# Altium PCB WallLightRemote_V1.0.PcbDoc (part 2 of 3)
Units mm, origin at the board's own origin, x right, y up, seen from the top; angles counter-clockwise.
Board outline 145 x 120 mm, 4 copper layers (Top Layer, Mid-Layer 1, Mid-Layer 2, Bottom Layer), stack 1.578 mm thick; 185 components, 123 nets, 798 pads, 785 vias.
Unrouted connection lines stored in the file: 21.
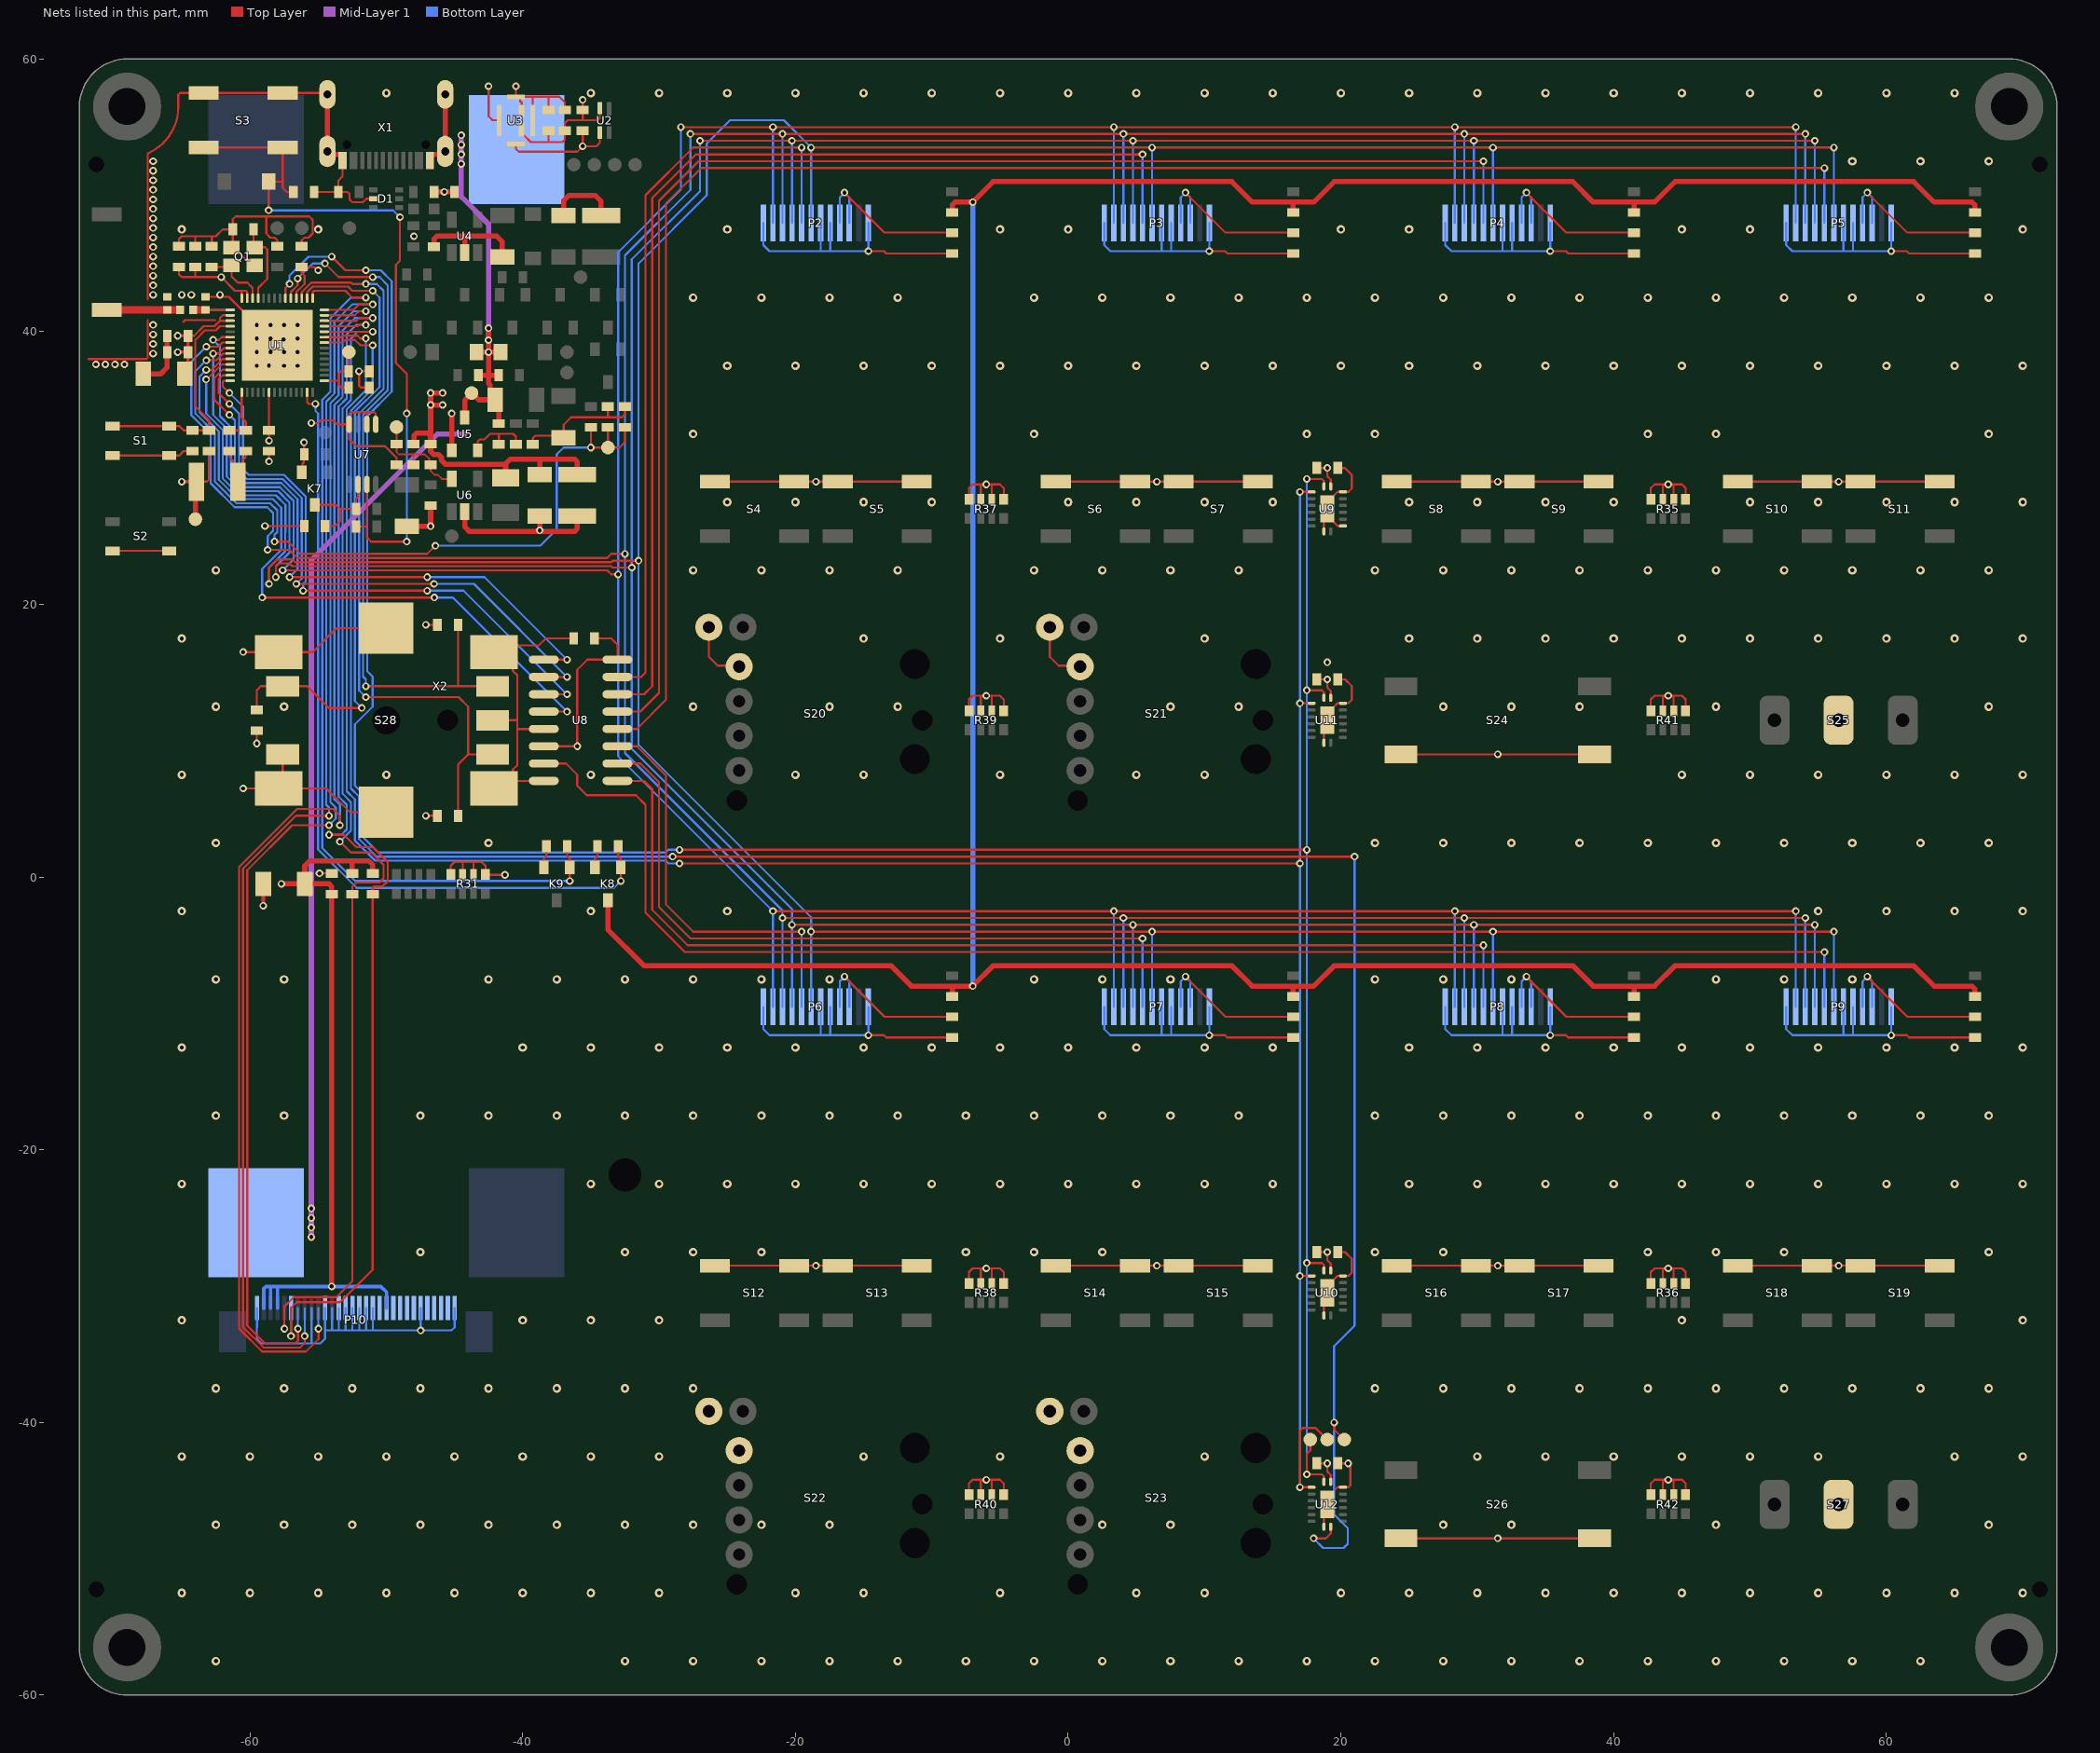
[diagram p4: the nets of this part, all layers, seen from the top]

## Via types
v1: diameter 0.62, hole 0.3, Top Layer to Bottom Layer, tented both sides, 444 vias
v2: diameter 0.55, hole 0.3, Top Layer to Bottom Layer, tented both sides, 341 vias

## Nets (pads, with @x,y where several pads share a name; then routed paths per layer and width w, separated by ;. In a path a pad name is that pad's centre, name@x,y a point inside that pad or via, vN(x,y) a via of type N, cw(c..) or ccw(c..) an arc to the next point about the centre after c; other vN are vias at no path point)
3V3: C1.P C2.2 C3.2 C4.2 C5.2 C6.2 C7.2 C8.2 C17.2 C18.2 C19.2 C27.1 C28.2 C29.P C35.2 C36.2 C37.2 C38.2 C39.2 C40.2 C41.2 C42.2 C43.2 C44.2 C45.2 C46.2 C47.2 C48.2 C49.2 L2.2 P2.3 P2.4 P3.3 P3.4 P4.3 P4.4 P5.3 P5.4 P6.3 P6.4 P7.3 P7.4 P8.3 P8.4 P9.3 P9.4 P10.2 P10.3 P10.4 P10.20 R1.2 R16.2 R29.2 R30.2 R31.5 R31.6 R31.7 R31.8 R35.5 R35.6 R35.7 R35.8 R36.5 R36.6 R36.7 R36.8 R37.5 R37.6 R37.7 R37.8 R38.5 R38.6 R38.7 R38.8 R39.5 R39.6 R39.7 R39.8 R40.5 R40.6 R40.7 R40.8 R41.5 R41.6 R41.7 R41.8 R42.5 R42.6 R42.7 R42.8 R43.2 R44.2 R45.2 TP18.1 U1.2 U1.3 U1.20 U1.46 U1.55 U1.56 U2.4 U3.1 U8.6 U8.16 U9.16 U10.16 U11.16 U12.16 | length 317.7
  Top Layer w0.152: C6.2@-65.2,44.738 -65.2,44.2 -65,44 -64,44 ; C2.2@-64.776,36.9 C2.2@-64.538,37.138 ; C3.2@-64.538,39.7 -64.1,39.7 -63.4,40.4 -62.6,40.4 -62.2,40.8 ; C7.2@-64,44.738 -64,44 ; C1.P@-63.924,29 -63.15,29 -63,29.15 R1.2@-63,31.238 ; U1.3@-61.45,40.8 -62.2,40.8 ; U1.2@-61.45,41.2 -62,41.2 -62.2,41 -62.2,40.8 ; U1.56@-60.6,42.45 -60.6,43 ; U1.55@-60.2,42.45 -60.2,42.9 -60.3,43 -60.6,43 ; v2(-59.5,9.8) R45.2@-59.5,10.738 ; v2@-58.6,32.05 C5.2@-58.6,32.762 U1.20@-58.6,35.55 ; U1.46@-56.6,42.45 -56.6,42.9 -56,43.5 -56,44.1 -56.2,44.3 C4.2@-56.2,44.738 -55.288,44.738 -55.05,44.5 v2(-55,44.5) ; v2(-47.1,4.5) R44.2@-46.262,4.5 ; v2(-47.1,18.5) R43.2@-46.262,18.5 ; R31.8@-45.275,0.2 -45.275,0.825 -45,1.1 -44.4,1.1 ; R31.7@-44.4,0.2 -44.4,1.1 ; R31.6@-43.6,0.2 -43.6,1.1 ; v2(-41.3,0.16) -42.685,0.16 R31.5@-42.725,0.2 -42.725,0.825 -43,1.1 -43.6,1.1 ; U3.1@-40.075,54.825 -40.075,54.55 -39.951,54.426 -39.926,54.426 -39.4,53.9 -38.1,53.9 ; U8.6@-38.45,9.595 v2(-36,9.595) -36,15.2 -35.255,15.945 U8.16@-33.05,15.945 -33.05,17.05 -33.5,17.5 C45.2@-34.738,17.5 ; C18.2@-38.1,54.738 -38.1,53.9 ; v2(-35.6,57) C17.2@-35.6,56.262 -35.6,55.5 ; U2.4@-34.35,56.4 -34.35,55.65 -34.5,55.5 -35.6,55.5 ; v2(-16.4,-7.3) -13.462,-10.238 C39.2@-8.5,-10.238 ; v2(-16.4,50.2) -13.462,47.262 C35.2@-8.5,47.262 ; R40.8@-7.275,-45.3 -7.275,-44.475 -7,-44.2 -6.4,-44.2 ; R38.8@-7.275,-29.8 -7.275,-28.975 -7,-28.7 -6.4,-28.7 ; R39.8@-7.275,12.2 -7.275,13.025 -7,13.3 -6.4,13.3 ; R37.8@-7.275,27.7 -7.275,28.525 -7,28.8 -6.4,28.8 ; R40.7@-6.4,-45.3 -6.4,-44.2 ; R38.7@-6.4,-29.8 -6.4,-28.7 ; R39.7@-6.4,12.2 -6.4,13.3 ; R37.7@-6.4,27.7 -6.4,28.8 ; R40.6@-5.6,-45.3 -5.6,-44.2 ; R38.6@-5.6,-29.8 -5.6,-28.7 ; R39.6@-5.6,12.2 -5.6,13.3 ; R37.6@-5.6,27.7 -5.6,28.8 ; R40.5@-4.725,-45.3 -4.725,-44.475 -5,-44.2 -5.6,-44.2 ; R38.5@-4.725,-29.8 -4.725,-28.975 -5,-28.7 -5.6,-28.7 ; R39.5@-4.725,12.2 -4.725,13.025 -5,13.3 -5.6,13.3 ; R37.5@-4.725,27.7 -4.725,28.525 -5,28.8 -5.6,28.8 ; v2(8.6,-7.3) 11.538,-10.238 C40.2@16.5,-10.238 ; v2(8.6,50.2) 11.538,47.262 C36.2@16.5,47.262 ; C49.2@18.238,-43 v2(19,-43) 19,-43.6 19.25,-43.85 U12.16@19.25,-44.35 ; C47.2@18.238,-27.5 v2(19,-27.5) 19,-28.1 19.25,-28.35 U10.16@19.25,-28.85 ; C48.2@18.238,14.5 v2(19,14.5) 19,13.9 19.25,13.65 U11.16@19.25,13.15 ; C46.2@18.238,30 v2(19,30) 19,29.4 19.25,29.15 U9.16@19.25,28.65 ; v2(33.6,-7.3) 36.538,-10.238 C41.2@41.5,-10.238 ; v2(33.6,50.2) 36.538,47.262 C37.2@41.5,47.262 ; R42.8@42.725,-45.3 42.725,-44.475 43,-44.2 43.6,-44.2 ; R36.8@42.725,-29.8 42.725,-28.975 43,-28.7 43.6,-28.7 ; R41.8@42.725,12.2 42.725,13.025 43,13.3 43.6,13.3 ; R35.8@42.725,27.7 42.725,28.525 43,28.8 43.6,28.8 ; R42.7@43.6,-45.3 43.6,-44.2 ; R36.7@43.6,-29.8 43.6,-28.7 ; R41.7@43.6,12.2 43.6,13.3 ; R35.7@43.6,27.7 43.6,28.8 ; R42.6@44.4,-45.3 44.4,-44.2 ; R36.6@44.4,-29.8 44.4,-28.7 ; R41.6@44.4,12.2 44.4,13.3 ; R35.6@44.4,27.7 44.4,28.8 ; R42.5@45.275,-45.3 45.275,-44.475 45,-44.2 44.4,-44.2 ; R36.5@45.275,-29.8 45.275,-28.975 45,-28.7 44.4,-28.7 ; R41.5@45.275,12.2 45.275,13.025 45,13.3 44.4,13.3 ; R35.5@45.275,27.7 45.275,28.525 45,28.8 44.4,28.8 ; v2(58.6,-7.3) 61.538,-10.238 C42.2@66.5,-10.238 ; v2(58.6,50.2) 61.538,47.262 C38.2@66.5,47.262 ; -64,44 v2(-62.1,44) -61.1,43 -60.6,43 ; -44.4,1.1 -43.6,1.1 ; -38.1,53.9 -37.1,53.9 -36.9,54.1 C19.2@-36.9,54.738 -36.9,55.3 -36.7,55.5 -35.6,55.5 ; -6.4,-44.2 -5.6,-44.2 ; -6.4,-28.7 v2(-6,-28.7) -5.6,-28.7 ; -6.4,13.3 -5.6,13.3 ; -6.4,28.8 -5.6,28.8 ; 43.6,-44.2 44.4,-44.2 ; 43.6,-28.7 v2(44,-28.7) 44.4,-28.7 ; 43.6,13.3 44.4,13.3 ; 43.6,28.8 44.4,28.8
  Top Layer w0.254: v2(-65.3,38.5) C8.2@-64.538,38.5 ; v2(-65.3,39.7) C3.2@-64.538,39.7 C8.2@-64.538,38.5 ; v2(-65,29) C1.P@-63.924,29 ; C2.2@-64.538,37.138 C8.2@-64.538,38.5
  Top Layer w0.381: TP18.1@-64,26.25 -64,28.924 C1.P@-63.924,29 ; v2(-57.7,-0.5) C44.2@-55.976,-0.5 ; v2(-54,-30.025) C43.2@-54,-1.262 -54,-0.7 -54.2,-0.5 C44.2@-55.976,-0.5 ; R30.2@-52.5,0.262 -52.5,1.2 ; R29.2@-51.025,0.237 R29.2@-51,0.262 -51,0.9 -51.3,1.2 -52.5,1.2 ; C27.1@-48,31.762 -47.972,31.79 -47.972,32.377 -47.777,32.572 -46.973,32.572 -46.75,32.349 ; v2(-45.873,34.623) v2(-46.75,34.623) ; v2(-45.873,35.5) v2(-46.75,35.5) v2(-46.75,34.623) ; L2.2@-41.25,29.275 -41.25,30.25 -41.275,30.275 ; C28.2@-38.75,29.524 -38.75,30.575 -38.825,30.65 ; C29.P@-36,29.524 -35.992,29.532 -35.992,30.444 -36.198,30.65 -38.825,30.65 ; C44.2@-55.976,-0.5 -55.976,0.824 -55.6,1.2 -52.5,1.2 ; -46.75,32.349 v2(-46.75,34.623) ; -46.75,32.349 R16.2@-46.75,31.762 -46.75,31.223 -46.527,31 -46.175,31 -45.95,30.775 -45.95,30.55 -45.675,30.275 -45.102,30.275 -44.225,30.275 -43.348,30.275 -41.275,30.275 ; -41.275,30.275 -40.9,30.65 -38.825,30.65
  Bottom Layer w0.152: P6.4@-16.75,-9.52 -16.75,-7.65 v2(-16.4,-7.3) -16.05,-7.65 P6.3@-16.05,-9.52 ; P2.4@-16.75,47.98 -16.75,49.85 v2(-16.4,50.2) -16.05,49.85 P2.3@-16.05,47.98 ; P7.4@8.25,-9.52 8.25,-7.65 v2(8.6,-7.3) 8.95,-7.65 P7.3@8.95,-9.52 ; P3.4@8.25,47.98 8.25,49.85 v2(8.6,50.2) 8.95,49.85 P3.3@8.95,47.98 ; P8.4@33.25,-9.52 33.25,-7.65 v2(33.6,-7.3) 33.95,-7.65 P8.3@33.95,-9.52 ; P4.4@33.25,47.98 33.25,49.85 v2(33.6,50.2) 33.95,49.85 P4.3@33.95,47.98 ; P9.4@58.25,-9.52 58.25,-7.65 v2(58.6,-7.3) 58.95,-7.65 P9.3@58.95,-9.52 ; P5.4@58.25,47.98 58.25,49.85 v2(58.6,50.2) 58.95,49.85 P5.3@58.95,47.98
  Bottom Layer w0.254: -58.985,-31.6 -58.985,-30.174 -58.836,-30.025 -58.495,-30.025 -58.485,-30.035 -58.485,-31.6 -58.488,-31.598 ; -58.475,-30.025 v2(-54,-30.025) -50.4,-30.025 -49.985,-30.44 -49.985,-31.6 ; -57.985,-31.6 -57.985,-30.05
  other v2: -6,-44.2 44,-44.2 -6,13.3 44,13.3 -6,28.8 44,28.8 -58.6,32
BAT_MSR: C34.2 R18.1 R20.2 TP21.1 U1.9 | length 56.4
  Top Layer w0.152: v2(-63.2,37.9) -62.459,37.9 -61.968,38.391 -61.459,38.391 U1.9@-61.45,38.4 ; v2(-58.2,24.6) -57.2,24.6 -56.3,23.7 -47,23.7 v2(-46.4,24.3) ; R18.1@-35,32.988 v2(-35,31.5) TP21.1@-33.75,31.5 ; R20.2@-33.75,32.988 TP21.1@-33.75,31.5 ; C34.2@-32.5,32.988 -32.5,31.9 -32.9,31.5 TP21.1@-33.75,31.5
  Bottom Layer w0.152: v2(-63.2,37.9) -64,37.1 -64,34 -62.58,32.58 -62.58,29.011 -60.989,27.42 -58.52,27.42 -58,26.9 -58,25.3 -58.2,25.1 v2(-58.2,24.6) ; v2(-46.4,24.3) -38.7,24.3 -37.5,25.5 -37.5,31 -37,31.5 v2(-35,31.5)
BL: K8.D R21.2 R22.2 R23.2 R24.2 R25.2 R26.2 R27.2 R28.2 | length 249.8
  Top Layer w0.381: K8.D@-33.75,-1.7 -33.75,-3.85 -31.1,-6.5 -13,-6.5 -11.5,-8 v2(-7,-8) -5.5,-6.5 12,-6.5 13.5,-8 18,-8 19.5,-6.5 37,-6.5 38.5,-8 41.5,-8 ; R25.2@-8.5,-8.762 -8.5,-8 ; R21.2@-8.5,48.738 -8.5,49.3 -8.3,49.5 v2(-7,49.5) -5.5,51 12,51 13.5,49.5 18,49.5 19.5,51 37,51 38.5,49.5 41.5,49.5 ; R26.2@16.5,-8.762 16.5,-8 ; R22.2@16.5,48.738 16.5,49.5 ; R27.2@41.5,-8.762 41.5,-8 ; R23.2@41.5,48.738 41.5,49.5 ; R28.2@66.5,-8.762 66.5,-8.223 66.277,-8 63.5,-8 62,-6.5 44.5,-6.5 43,-8 41.5,-8 ; R24.2@66.5,48.738 66.5,49.277 66.277,49.5 63.5,49.5 62,51 44.5,51 43,49.5 41.5,49.5
  Bottom Layer w0.381: v2(-7,-8) v2(-7,49.5)
DSA_BL: K8.G R33.2 U1.27 | length 60.3
  Top Layer w0.152: U1.27@-55.8,35.55 -55.8,34.824 -55.676,34.7 v2(-55.2,34.7) ; R33.2@-32.988,2.25 -32.988,1.538 -32.8,1.35 K8.G@-32.8,0.7 v2(-32.8,-0.288)
  Bottom Layer w0.152: v2(-55.2,34.7) -55.2,34.2 -55,34 -55,2.024 -52.176,-0.8 -33.312,-0.8 v2(-32.8,-0.288)
DSA_C\S\: U1.10 U8.4 | length 51.1
  Top Layer w0.152: v2(-63.204,37.196) -62.804,37.196 -62,38 U1.10@-61.45,38 ; v2(-59.1,20.5) v2(-46.475,20.5) ; U8.4@-38.45,12.135 v2(-36.745,12.135)
  Bottom Layer w0.152: v2(-63.204,37.196) -63.7,36.7 -63.7,34.1 -62.28,32.68 -62.28,29.135 -60.865,27.72 -58.32,27.72 -57.7,27.1 -57.7,24 -59.1,22.6 v2(-59.1,20.5) ; v2(-46.475,20.5) -45.11,20.5 v2(-36.745,12.135)
DSA_C\S\0: P2.8 U8.15 | length 55.6
  Top Layer w0.152: U8.15@-33.05,14.675 -31.325,14.675 -31,15 -31,50 -27.5,53.5 v2(-19.55,53.5)
  Bottom Layer w0.152: P2.8@-19.55,47.98 v2(-19.55,53.5)
DSA_C\S\1: P3.8 U8.14 | length 80.9
  Top Layer w0.152: U8.14@-33.05,13.405 -31.095,13.405 -30.5,14 -30.5,49.8 -27.3,53 v2(5.45,53)
  Bottom Layer w0.152: P3.8@5.45,47.98 v2(5.45,53)
DSA_C\S\2: P4.8 U8.13 | length 105.9
  Top Layer w0.152: U8.13@-33.05,12.135 -31.365,12.135 -30,13.5 -30,49.6 -27.1,52.5 v2(30.45,52.5)
  Bottom Layer w0.152: P4.8@30.45,47.98 v2(30.45,52.5)
DSA_C\S\3: P5.8 U8.12 | length 130.9
  Top Layer w0.152: U8.12@-33.05,10.865 -31.635,10.865 -29.5,13 -29.5,49.4 -26.9,52 v2(55.45,52)
  Bottom Layer w0.152: P5.8@55.45,47.98 v2(55.45,52)
DSA_C\S\4: P6.8 U8.11 | length 30.2
  Top Layer w0.152: U8.11@-33.05,9.595 -31.635,9.595 -29.5,7.46 -29.5,-2 -27.5,-4 v2(-19.55,-4)
  Bottom Layer w0.152: P6.8@-19.55,-9.52 v2(-19.55,-4)
DSA_C\S\5: P7.8 U8.10 | length 54.2
  Top Layer w0.152: U8.10@-33.05,8.325 -31.365,8.325 -30,6.96 -30,-2.2 -27.7,-4.5 v2(5.45,-4.5)
  Bottom Layer w0.152: P7.8@5.45,-9.52 v2(5.45,-4.5)
DSA_C\S\6: P8.8 U8.9 | length 78.2
  Top Layer w0.152: U8.9@-33.05,7.055 -31.095,7.055 -30.5,6.46 -30.5,-2.4 -27.9,-5 v2(30.45,-5)
  Bottom Layer w0.152: P8.8@30.45,-9.52 v2(30.45,-5)
DSA_C\S\7: P9.8 U8.7 | length 108.7
  Top Layer w0.152: U8.7@-38.45,8.325 -36.825,8.325 -36,7.5 -36,6.7 -35.3,6 -31.7,6 -31,5.3 -31,-2.6 -28.1,-5.5 v2(55.45,-5.5)
  Bottom Layer w0.152: P9.8@55.45,-9.52 v2(55.45,-5.5)
DSA_CS0: U1.12 U8.1 | length 44.9
  Top Layer w0.152: v2(-61.5,33.9) -62.6,35 -62.6,36.6 -62,37.2 U1.12@-61.45,37.2 ; v2(-57.1,22) v2(-47,22) ; U8.1@-38.45,15.945 v2(-36.745,15.945)
  Bottom Layer w0.152: v2(-61.5,33.9) -61.1,33.5 -61.1,29.651 -60.349,28.9 -57.7,28.9 -56.5,27.7 -56.5,22.6 v2(-57.1,22) ; v2(-47,22) -42.8,22 v2(-36.745,15.945)
DSA_CS1: U1.13 U8.2 | length 44.6
  Top Layer w0.152: v2(-61.5,34.7) -62.3,35.5 -62.3,36.5 -62,36.8 U1.13@-61.45,36.8 ; v2(-56.6,21.5) v2(-46.5,21.5) ; U8.2@-38.45,14.675 v2(-36.745,14.675)
  Bottom Layer w0.152: v2(-61.5,34.7) -60.8,34 -60.8,29.776 -60.224,29.2 -57.6,29.2 -56.2,27.8 -56.2,21.9 v2(-56.6,21.5) ; v2(-46.5,21.5) -43.57,21.5 v2(-36.745,14.675)
DSA_CS2: U1.14 U8.3 | length 44.2
  Top Layer w0.152: v2(-61.5,35.5) -62,36 -62,36.3 -61.9,36.4 U1.14@-61.45,36.4 ; v2(-56.1,21) v2(-47,21) ; U8.3@-38.45,13.405 v2(-36.745,13.405)
  Bottom Layer w0.152: v2(-61.5,35.5) -60.5,34.5 -60.5,29.9 -60.1,29.5 -57.5,29.5 -55.9,27.9 -55.9,21.7 -56.1,21.5 v2(-56.1,21) ; v2(-47,21) -44.34,21 v2(-36.745,13.405)
DSA_DC: P2.7 P3.7 P4.7 P5.7 P6.7 P7.7 P8.7 P9.7 U1.11 | length 318.8
  Top Layer w0.152: v2(-63.207,36.493) -63.166,36.493 -62.068,37.591 -61.459,37.591 U1.11@-61.45,37.6 ; v2(-58.6,21.5) -58.6,22.7 -58,23.3 -56.9,23.3 -56.7,23.1 -33.5,23.1 -33.4,23.2 v2(-31.5,23.2) ; v2(-18.85,-4) v2(6.15,-4) v2(31.15,-4) v2(56.15,-4) ; v2(-18.85,53.5) v2(6.15,53.5) v2(31.15,53.5) v2(56.15,53.5)
  Bottom Layer w0.152: v2(-63.207,36.493) -63.207,33.997 -62,32.79 -62,29.251 -60.749,28 -58.1,28 -57.4,27.3 -57.4,25.306 -57.412,25.294 -57.412,23.888 -58.6,22.7 v2(-58.6,21.5) ; P6.7@-18.85,-9.52 v2(-18.85,-4) -18.85,-2.95 -31.5,9.7 -31.5,23.219 -31.5,45 -26.5,50 -26.5,53.8 -24.8,55.5 -20.85,55.5 v2(-18.85,53.5) P2.7@-18.85,47.98 ; P7.7@6.15,-9.52 v2(6.15,-4) ; P3.7@6.15,47.98 v2(6.15,53.5) ; P8.7@31.15,-9.52 v2(31.15,-4) ; P4.7@31.15,47.98 v2(31.15,53.5) ; P9.7@56.15,-9.52 v2(56.15,-4) ; P5.7@56.15,47.98 v2(56.15,53.5)
DSA_MOSI: P2.10 P3.10 P4.10 P5.10 P6.10 P7.10 P8.10 P9.10 U1.7 | length 321
  Top Layer w0.152: v2(-63.2,38.9) -62.3,38.9 -62,39.2 U1.7@-61.45,39.2 ; v2(-58.7,24) -57.1,24 -56.5,23.4 -33.8,23.4 -33.5,23.7 v2(-32.5,23.7) ; v2(-27.7,54.5) v2(-20.95,54.5) v2(4.05,54.5) v2(29.05,54.5) v2(54.05,54.5) ; v2(-20.95,-3) v2(4.05,-3) v2(29.05,-3) v2(54.05,-3)
  Bottom Layer w0.152: v2(-63.2,38.9) -64.3,37.8 -64.3,33.876 -62.88,32.456 -62.88,28.887 -61.113,27.12 -58.72,27.12 -58.3,26.7 -58.3,25.4 -58.7,25 v2(-58.7,24) ; v2(-27.7,54.5) -27.7,50.4 -32.5,45.6 v2(-32.5,23.7) -32.5,20.303 -32.5,9.1 -20.95,-2.45 v2(-20.95,-3) P6.10@-20.95,-9.52 ; P2.10@-20.95,47.98 v2(-20.95,54.5) ; P7.10@4.05,-9.52 v2(4.05,-3) ; P3.10@4.05,47.98 v2(4.05,54.5) ; P8.10@29.05,-9.52 v2(29.05,-3) ; P4.10@29.05,47.98 v2(29.05,54.5) ; P9.10@54.05,-9.52 v2(54.05,-3) ; P5.10@54.05,47.98 v2(54.05,54.5)
DSA_R\S\T\: P2.11 P3.11 P4.11 P5.11 P6.11 P7.11 P8.11 P9.11 U1.6 | length 324.3
  Top Layer w0.152: v2(-62.7,39.4) -62.275,39.4 -62.075,39.6 U1.6@-61.45,39.6 ; v2(-57.6,22.5) -33.8,22.5 -33.5,22.2 v2(-33,22.2) ; v2(-28.4,55) v2(-21.65,55) v2(3.35,55) v2(28.35,55) v2(53.35,55) ; v2(-21.65,-2.5) v2(3.35,-2.5) v2(28.35,-2.5) v2(53.35,-2.5)
  Bottom Layer w0.152: v2(-62.7,39.4) -62.2,38.9 -62.2,33.8 -61.4,33 -61.4,29.5 -60.5,28.6 -57.807,28.6 -56.8,27.593 -56.8,23.3 v2(-57.6,22.5) ; v2(-28.4,55) -28.4,50.424 -33,45.824 v2(-33,22.2) -33,8.85 v2(-21.65,-2.5) P6.11@-21.65,-9.52 ; P2.11@-21.65,47.98 v2(-21.65,55) ; P7.11@3.35,-9.52 v2(3.35,-2.5) ; P3.11@3.35,47.98 v2(3.35,55) ; P8.11@28.35,-9.52 v2(28.35,-2.5) ; P4.11@28.35,47.98 v2(28.35,55) ; P9.11@53.35,-9.52 v2(53.35,-2.5) ; P5.11@53.35,47.98 v2(53.35,55)
DSA_SCLK: P2.9 P3.9 P4.9 P5.9 P6.9 P7.9 P8.9 P9.9 U1.8 | length 318.6
  Top Layer w0.152: v2(-62.7,38.4) -62.696,38.404 -62.296,38.404 -61.9,38.8 U1.8@-61.45,38.8 ; v2(-58.1,22) -58.1,22.8 -57.9,23 -57.1,23 -56.9,22.8 -33.5,22.8 -33.4,22.7 v2(-32,22.7) ; v2(-27,54) v2(-20.25,54) v2(4.75,54) v2(29.75,54) v2(54.75,54) ; v2(-20.25,-3.5) v2(4.75,-3.5) v2(29.75,-3.5) v2(54.75,-3.5)
  Bottom Layer w0.152: v2(-62.7,38.4) -62.7,33.9 -61.7,32.9 -61.7,29.376 -60.624,28.3 -57.931,28.3 -57.1,27.469 -57.1,23.8 -58.1,22.8 v2(-58.1,22) ; v2(-27,54) -27,50.3 -32,45.3 v2(-32,22.7) -32,9.4 -20.25,-2.35 v2(-20.25,-3.5) P6.9@-20.25,-9.52 ; P2.9@-20.25,47.98 v2(-20.25,54) ; P7.9@4.75,-9.52 v2(4.75,-3.5) ; P3.9@4.75,47.98 v2(4.75,54) ; P8.9@29.75,-9.52 v2(29.75,-3.5) ; P4.9@29.75,47.98 v2(29.75,54) ; P9.9@54.75,-9.52 v2(54.75,-3.5) ; P5.9@54.75,47.98 v2(54.75,54)
DSM_BL: K9.G R34.2 U1.43 | length 68.7
  Top Layer w0.152: U1.43@-55.4,42.45 -55.4,42.9 -55.3,43 -53,43 -52.5,42.5 v2(-51.5,42.5) ; R34.2@-36.738,2.25 -36.738,1.538 -36.55,1.35 K9.G@-36.55,0.7 v2(-36.55,-0.288)
  Bottom Layer w0.152: v2(-51.5,42.5) -52.6,42.5 -54.1,41 -54.1,35.6 -54.7,35 -54.7,2.124 -52.288,-0.288 v2(-36.55,-0.288)
DSM_C\S\: P10.6 R29.1 U1.39 | length 90.2
  Top Layer w0.152: v2(-56.985,-33.66) -56.985,-31.585 -56.575,-31.175 -53.375,-31.175 -51,-28.8 -51,-0.789 -50.911,-0.7 -50.3,-0.7 -49.9,-0.3 -49.9,1.1 -51,2.2 -52.2,2.2 -53.1,3.1 v2(-54.2,3.1) ; U1.39@-54.55,40.4 -52.1,40.4 -52,40.5 v2(-51.5,40.5)